# Altium PCB PS-010 Main.PcbDoc (part 1 of 2) (continued)
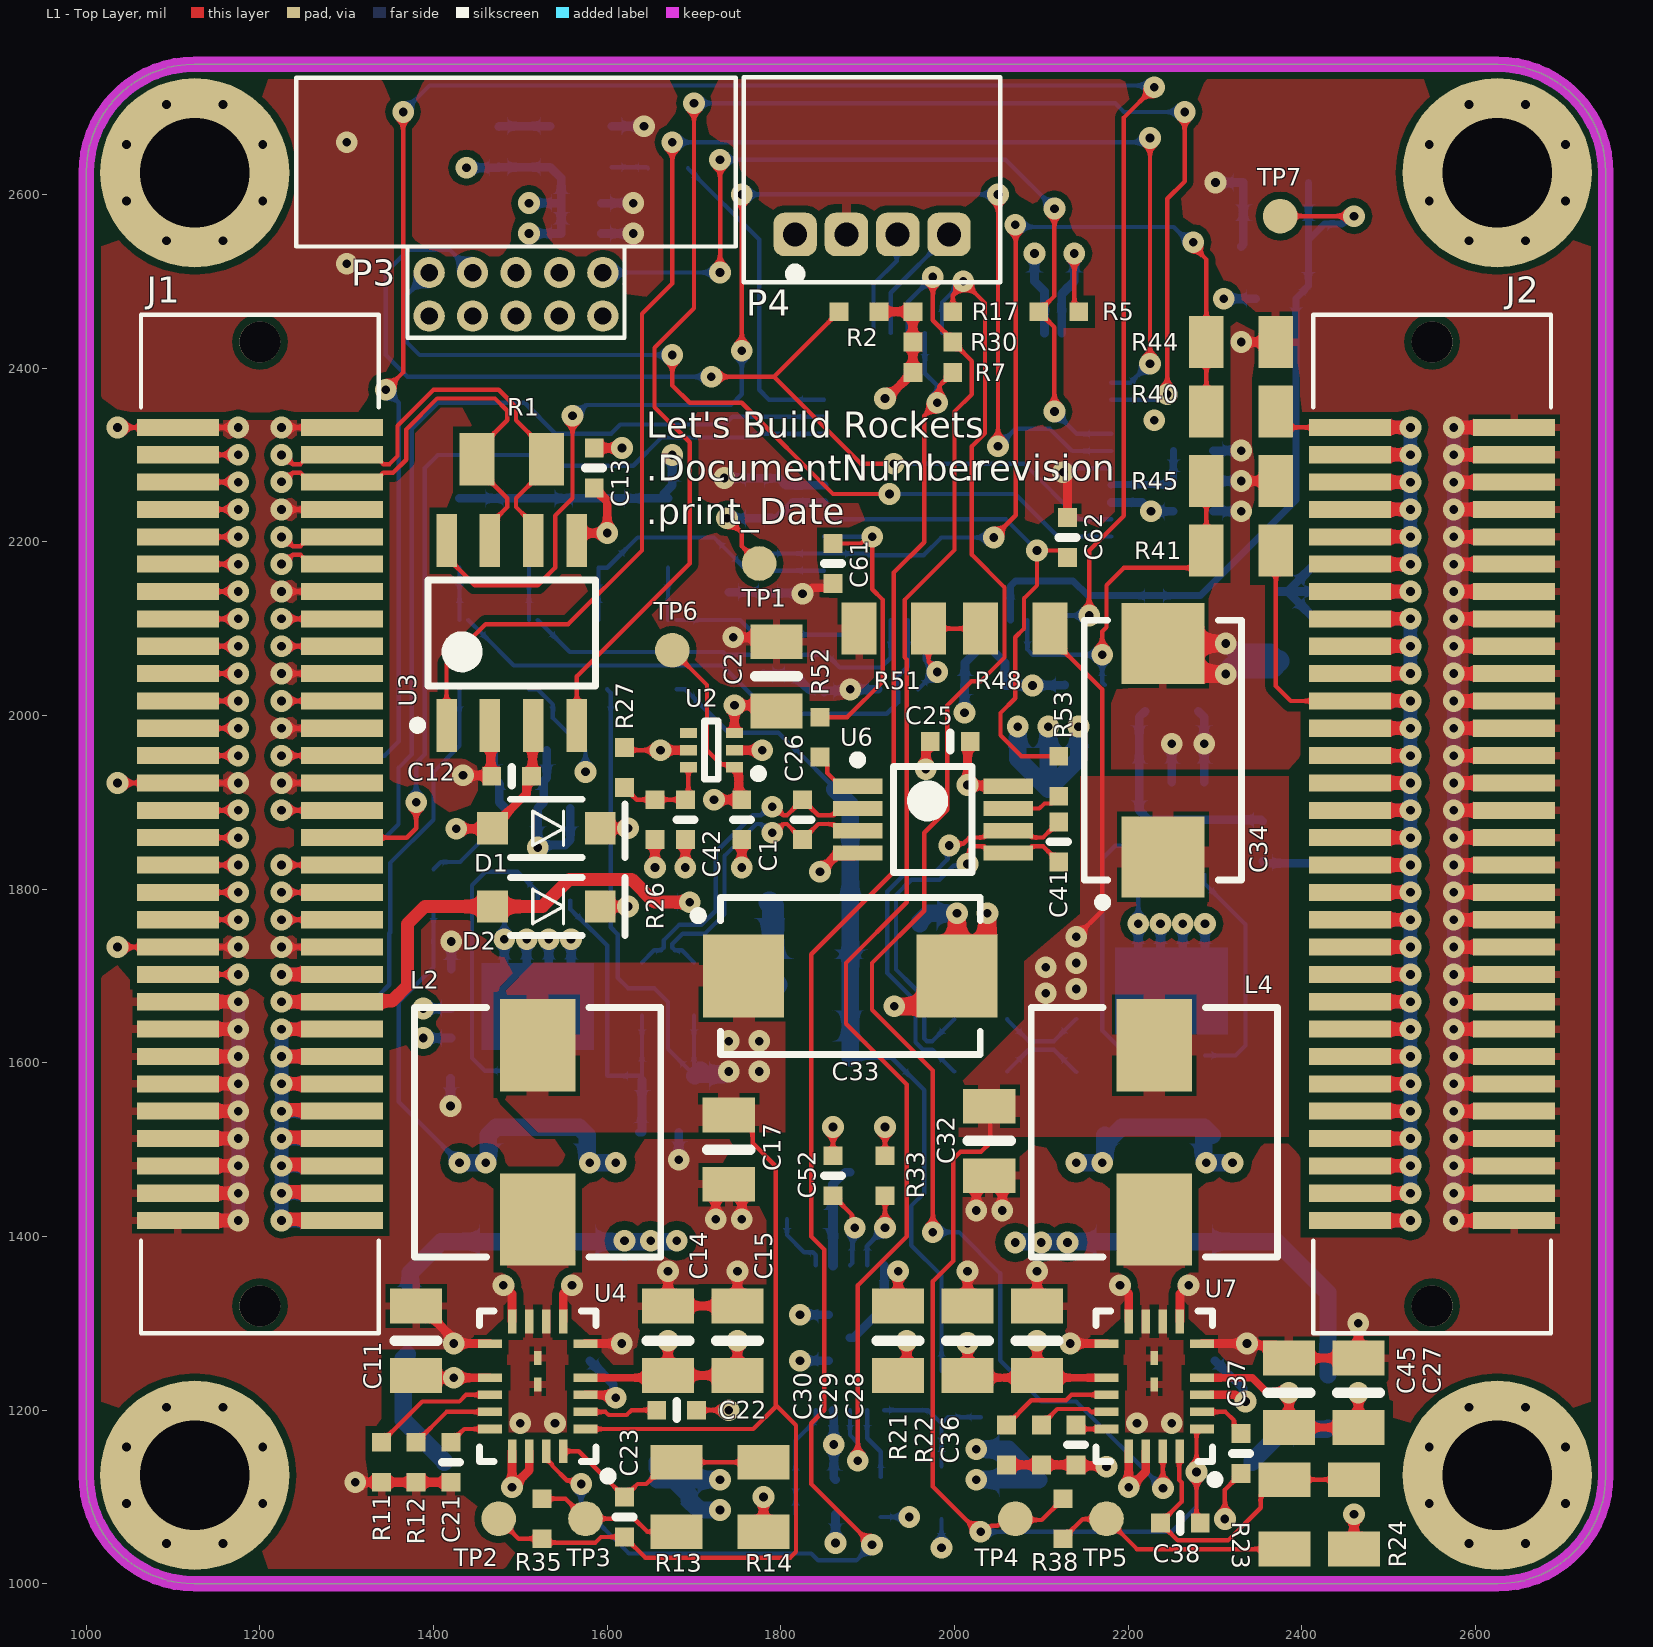
[diagram p0: L1 - Top Layer view]
## Part data (continued)
R6 R29: library part ERJ-3BSJR15V, "RES SMD 0.15 OHM 5% 1/4W 0603", Digi-Key Part Number=P17248CT-ND, Manufacturer="Panasonic Electronic Components", Operating Temperature="-55°C ~ 125°C", Package / Case="0603 (1608 Metric)", Power (Watts)="0.25W, 1/4W", Supplier Device Package=0603, Temperature Coefficient=±300ppm/°C, Tolerance=±5%, @ qty=1500, Composition="Thick Film", Datasheets=https://industrial.panasonic.com/cdbs/www-data/pdf/RDA0000/AOA0000C239.pdf, Factory Stock=0, Failure Rate=-, Features="Automotive AEC-Q200, Current Sense", Height - Seated (Max)="0.022\" (0.55mm)", Image=//media.digikey.com/Photos/Panasonic%20Photos/MFG_ERJ-P6W%20Series.jpg, Minimum Quantity=1, Number of Terminations=2, Packaging="Cut Tape (CT)", Part Number=ERJ-3BSJR15V, Part Status=Active, Quantity Available=4990, Series=ERJ, Size / Dimension="0.063\" L x 0.031\" W (1.60mm x 0.80mm)", Unit Price (USD)=0.05207
R7 R11 R17 R21 R26 R30: library part ERJ-2GEJ104X, "RES SMD 100K OHM 5% 1/10W 0402", Digi-Key Part Number=P100KJCT-ND, Manufacturer="Panasonic Electronic Components", Operating Temperature="-55°C ~ 155°C", Package / Case="0402 (1005 Metric)", Power (Watts)="0.1W, 1/10W", Supplier Device Package=0402, Temperature Coefficient=±200ppm/°C, Tolerance=±5%, @ qty=1500, Composition="Thick Film", Datasheets=http://industrial.panasonic.com/www-cgi/jvcr13pz.cgi?E+PZ+3+AOA0001+ERJ2GEJ104X+7+WW, Factory Stock=0, Failure Rate=-, Features="Automotive AEC-Q200", Height - Seated (Max)="0.016\" (0.40mm)", Image=//media.digikey.com/Photos/Panasonic%20Photos/ERJ-PA2-Series.jpg, Minimum Quantity=1, Number of Terminations=2, Packaging="Cut Tape (CT)", Part Number=ERJ-2GEJ104X, Part Status=Active, Quantity Available=2387986, Series=ERJ, Size / Dimension="0.039\" L x 0.020\" W (1.00mm x 0.50mm)", Unit Price (USD)=0.00350
R8 R18: library part ERJ-3LWFR005V, "RES SMD 0.005 OHM 1% 1/4W 0603", Digi-Key Part Number=P19182CT-ND, Manufacturer="Panasonic Electronic Components", Operating Temperature="-55°C ~ 125°C", Package / Case="0603 (1608 Metric)", Power (Watts)="0.25W, 1/4W", Supplier Device Package=0603, Temperature Coefficient="0/ +700ppm/°C", Tolerance=±1%, @ qty=1500, Composition="Thick Film", Datasheets=https://industrial.panasonic.com/cdbs/www-data/pdf/RDA0000/AOA0000C239.pdf, Factory Stock=0, Failure Rate=-, Features="Automotive AEC-Q200, Current Sense", Height - Seated (Max)="0.026\" (0.65mm)", Image=//media.digikey.com/Photos/Panasonic%20Photos/MFG_ERJ-P6W%20Series.jpg, Minimum Quantity=1, Number of Terminations=2, Packaging="Cut Tape (CT)", Part Number=ERJ-3LWFR005V, Part Status=Active, Quantity Available=2588, Series=ERJ, Size / Dimension="0.063\" L x 0.031\" W (1.60mm x 0.80mm)", Unit Price (USD)=0.12384
R9 R10 R19 R20: library part ERJ-3RQF2R2V, "RES SMD 2.2 OHM 1% 1/10W 0603", Digi-Key Part Number=P2.2AJCT-ND, Manufacturer="Panasonic Electronic Components", Operating Temperature="-55°C ~ 125°C", Package / Case="0603 (1608 Metric)", Power (Watts)="0.1W, 1/10W", Supplier Device Package=0603, Temperature Coefficient=±200ppm/°C, Tolerance=±1%, @ qty=1500, Composition="Thick Film", Datasheets=https://industrial.panasonic.com/cdbs/www-data/pdf/RDA0000/AOA0000C239.pdf, Factory Stock=0, Failure Rate=-, Features="Automotive AEC-Q200, Current Sense", Height - Seated (Max)="0.022\" (0.55mm)", Image=//media.digikey.com/Photos/Panasonic%20Photos/MFG_ERJ-P6W%20Series.jpg, Minimum Quantity=1, Number of Terminations=2, Packaging="Cut Tape (CT)", Part Number=ERJ-3RQF2R2V, Part Status=Active, Quantity Available=43930, Series=ERJ, Size / Dimension="0.063\" L x 0.031\" W (1.60mm x 0.80mm)", Unit Price (USD)=0.03510
R12 R22 R33: library part ERJ-2RKF1822X, "RES SMD 18.2K OHM 1% 1/10W 0402", Digi-Key Part Number=P18.2KLCT-ND, Manufacturer="Panasonic Electronic Components", Operating Temperature="-55°C ~ 155°C", Package / Case="0402 (1005 Metric)", Power (Watts)="0.1W, 1/10W", Supplier Device Package=0402, Temperature Coefficient=±100ppm/°C, Tolerance=±1%, @ qty=1500, Composition="Thick Film", Datasheets=http://industrial.panasonic.com/www-cgi/jvcr13pz.cgi?E+PZ+3+AOA0002+ERJ2RKF1822X+7+WW, Factory Stock=0, Failure Rate=-, Features="Automotive AEC-Q200", Height - Seated (Max)="0.016\" (0.40mm)", Image=//media.digikey.com/Photos/Panasonic%20Photos/ERJ-PA2-Series.jpg, Minimum Quantity=1, Number of Terminations=2, Packaging="Cut Tape (CT)", Part Number=ERJ-2RKF1822X, Part Status=Active, Quantity Available=142975, Series=ERJ, Size / Dimension="0.039\" L x 0.020\" W (1.00mm x 0.50mm)", Unit Price (USD)=0.00496
R13 R23: library part ERJ-PB6B1004V, "RES SMD 1M OHM 0.1% 1/4W 0805", Digi-Key Part Number=P20936CT-ND, Manufacturer="Panasonic Electronic Components", Operating Temperature="-55°C ~ 155°C", Package / Case="0805 (2012 Metric)", Power (Watts)="0.25W, 1/4W", Supplier Device Package=0805, Temperature Coefficient=±50ppm/°C, Tolerance=±0.1%, @ qty=1000, Composition="Thick Film", Datasheets=https://industrial.panasonic.com/cdbs/www-data/pdf/RDA0000/AOA0000C100.pdf, Factory Stock=0, Failure Rate=-, Features="Automotive AEC-Q200, Pulse Withstanding", Height - Seated (Max)="0.028\" (0.70mm)", Image=//media.digikey.com/Renders/Panasonic%20Renders/ERJ-0805%20Pkg.jpg, Minimum Quantity=1, Number of Terminations=2, Packaging="Cut Tape (CT)", Part Number=ERJ-PB6B1004V, Part Status=Active, Quantity Available=10000, Series=ERJ, Size / Dimension="0.079\" L x 0.049\" W (2.00mm x 1.25mm)", Unit Price (USD)=0.04554
R14: library part ERJ-PB6B2323V, "RES SMD 232k OHM 0.1% 1/4W 0805", Digi-Key Part Number=P20861CT-ND, Manufacturer="Panasonic Electronic Components", Operating Temperature="-55°C ~ 155°C", Package / Case="0805 (2012 Metric)", Power (Watts)="0.25W, 1/4W", Supplier Device Package=0805, Temperature Coefficient=±50ppm/°C, Tolerance=±0.1%, @ qty=1000, Composition="Thick Film", Datasheets=https://industrial.panasonic.com/cdbs/www-data/pdf/RDA0000/AOA0000C100.pdf, Factory Stock=0, Failure Rate=-, Features="Automotive AEC-Q200, Pulse Withstanding", Height - Seated (Max)="0.028\" (0.70mm)", Image=//media.digikey.com/Renders/Panasonic%20Renders/ERJ-0805%20Pkg.jpg, Minimum Quantity=1, Number of Terminations=2, Packaging="Cut Tape (CT)", Part Number=ERJ-PB6B2323V, Part Status=Active, Quantity Available=10000, Series=ERJ, Size / Dimension="0.079\" L x 0.049\" W (2.00mm x 1.25mm)", Unit Price (USD)=0.04554
R15 R25: library part ERJ-2GEJ101X, "RES SMD 100 OHM 5% 1/10W 0402", Digi-Key Part Number=P100JCT-ND, Manufacturer="Panasonic Electronic Components", Operating Temperature="-55°C ~ 155°C", Package / Case="0402 (1005 Metric)", Power (Watts)="0.1W, 1/10W", Supplier Device Package=0402, Temperature Coefficient=±200ppm/°C, Tolerance=±5%, @ qty=1500, Composition="Thick Film", Datasheets=http://industrial.panasonic.com/www-cgi/jvcr13pz.cgi?E+PZ+3+AOA0001+ERJ2GEJ101X+7+WW, Factory Stock=0, Failure Rate=-, Features="Automotive AEC-Q200", Height - Seated (Max)="0.016\" (0.40mm)", Image=//media.digikey.com/Photos/Panasonic%20Photos/ERJ-PA2-Series.jpg, Minimum Quantity=1, Number of Terminations=2, Packaging="Cut Tape (CT)", Part Number=ERJ-2GEJ101X, Part Status=Active, Quantity Available=3114113, Series=ERJ, Size / Dimension="0.039\" L x 0.020\" W (1.00mm x 0.50mm)", Unit Price (USD)=0.00350
R16: library part ERJ-2RKF2203X, "RES SMD 220K OHM 1% 1/10W 0402", Digi-Key Part Number=P220KLCT-ND, Manufacturer="Panasonic Electronic Components", Operating Temperature="-55°C ~ 155°C", Package / Case="0402 (1005 Metric)", Power (Watts)="0.1W, 1/10W", Supplier Device Package=0402, Temperature Coefficient=±100ppm/°C, Tolerance=±1%, @ qty=1500, Composition="Thick Film", Datasheets=http://industrial.panasonic.com/www-cgi/jvcr13pz.cgi?E+PZ+3+AOA0002+ERJ2RKF2203X+7+WW, Factory Stock=0, Failure Rate=-, Features="Automotive AEC-Q200", Height - Seated (Max)="0.016\" (0.40mm)", Image=//media.digikey.com/Photos/Panasonic%20Photos/ERJ-PA2-Series.jpg, Minimum Quantity=1, Number of Terminations=2, Packaging="Cut Tape (CT)", Part Number=ERJ-2RKF2203X, Part Status=Active, Quantity Available=68938, Series=ERJ, Size / Dimension="0.039\" L x 0.020\" W (1.00mm x 0.50mm)", Unit Price (USD)=0.00496
R24: library part ERJ-PB6B8662V, "RES SMD 86.6k OHM 0.1% 1/4W 0805", Digi-Key Part Number=P20815CT-ND, Manufacturer="Panasonic Electronic Components", Operating Temperature="-55°C ~ 155°C", Package / Case="0805 (2012 Metric)", Power (Watts)="0.25W, 1/4W", Supplier Device Package=0805, Temperature Coefficient=±50ppm/°C, Tolerance=±0.1%, @ qty=1000, Composition="Thick Film", Datasheets=https://industrial.panasonic.com/cdbs/www-data/pdf/RDA0000/AOA0000C100.pdf, Factory Stock=0, Failure Rate=-, Features="Automotive AEC-Q200, Pulse Withstanding", Height - Seated (Max)="0.028\" (0.70mm)", Image=//media.digikey.com/Renders/Panasonic%20Renders/ERJ-0805%20Pkg.jpg, Minimum Quantity=1, Number of Terminations=2, Packaging="Cut Tape (CT)", Part Number=ERJ-PB6B8662V, Part Status=Active, Quantity Available=10000, Series=ERJ, Size / Dimension="0.079\" L x 0.049\" W (2.00mm x 1.25mm)", Unit Price (USD)=0.04554
R27: library part ERJ-2GEJ473X, "RES SMD 47K OHM 5% 1/10W 0402", Digi-Key Part Number=P47KJCT-ND, Manufacturer="Panasonic Electronic Components", Operating Temperature="-55°C ~ 155°C", Package / Case="0402 (1005 Metric)", Power (Watts)="0.1W, 1/10W", Supplier Device Package=0402, Temperature Coefficient=±200ppm/°C, Tolerance=±5%, @ qty=1500, Composition="Thick Film", Datasheets=http://industrial.panasonic.com/www-cgi/jvcr13pz.cgi?E+PZ+3+AOA0001+ERJ2GEJ473X+7+WW, Factory Stock=0, Failure Rate=-, Features="Automotive AEC-Q200", Height - Seated (Max)="0.016\" (0.40mm)", Image=//media.digikey.com/Photos/Panasonic%20Photos/ERJ-PA2-Series.jpg, Minimum Quantity=1, Number of Terminations=2, Packaging="Cut Tape (CT)", Part Number=ERJ-2GEJ473X, Part Status=Active, Quantity Available=5182645, Series=ERJ, Size / Dimension="0.039\" L x 0.020\" W (1.00mm x 0.50mm)", Unit Price (USD)=0.00350
R28: library part ERJ-3EKF1873V, "RES SMD 187K OHM 1% 1/10W 0603", Digi-Key Part Number=P187KHCT-ND, Manufacturer="Panasonic Electronic Components", Operating Temperature="-55°C ~ 155°C", Package / Case="0603 (1608 Metric)", Power (Watts)="0.1W, 1/10W", Supplier Device Package=0603, Temperature Coefficient=±100ppm/°C, Tolerance=±1%, @ qty=1500, Composition="Thick Film", Datasheets=http://industrial.panasonic.com/www-cgi/jvcr13pz.cgi?E+PZ+3+AOA0002+ERJ3EKF1873V+7+WW, Factory Stock=0, Failure Rate=-, Features="Automotive AEC-Q200", Height - Seated (Max)="0.022\" (0.55mm)", Image=//media.digikey.com/Photos/Panasonic%20Photos/MFG_ERJ-P6W%20Series.jpg, Minimum Quantity=1, Number of Terminations=2, Packaging="Cut Tape (CT)", Part Number=ERJ-3EKF1873V, Part Status=Active, Quantity Available=86417, Series=ERJ, Size / Dimension="0.063\" L x 0.031\" W (1.60mm x 0.80mm)", Unit Price (USD)=0.00379
R31: library part ERJ-3EKF1004V, "RES SMD 1M OHM 1% 1/10W 0603", Digi-Key Part Number=P1.00MHCT-ND, Manufacturer="Panasonic Electronic Components", Operating Temperature="-55°C ~ 155°C", Package / Case="0603 (1608 Metric)", Power (Watts)="0.1W, 1/10W", Supplier Device Package=0603, Temperature Coefficient=±100ppm/°C, Tolerance=±1%, @ qty=1500, Composition="Thick Film", Datasheets=http://industrial.panasonic.com/www-cgi/jvcr13pz.cgi?E+PZ+3+AOA0002+ERJ3EKF1004V+7+WW, Factory Stock=0, Failure Rate=-, Features="Automotive AEC-Q200", Height - Seated (Max)="0.022\" (0.55mm)", Image=//media.digikey.com/Photos/Panasonic%20Photos/MFG_ERJ-P6W%20Series.jpg, Minimum Quantity=1, Number of Terminations=2, Packaging="Cut Tape (CT)", Part Number=ERJ-3EKF1004V, Part Status=Active, Quantity Available=1632074, Series=ERJ, Size / Dimension="0.063\" L x 0.031\" W (1.60mm x 0.80mm)", Unit Price (USD)=0.00379
R32: library part ERJ-6GEYJ2R2V, "RES SMD 2.2 OHM 5% 1/8W 0805", Digi-Key Part Number=P2.2ACT-ND, Manufacturer="Panasonic Electronic Components", Operating Temperature="-55°C ~ 155°C", Package / Case="0805 (2012 Metric)", Power (Watts)="0.125W, 1/8W", Supplier Device Package=0805, Temperature Coefficient="-100/ +600ppm/°C", Tolerance=±5%, @ qty=1500, Composition="Thick Film", Datasheets=http://industrial.panasonic.com/www-cgi/jvcr13pz.cgi?E+PZ+3+AOA0001+ERJ6GEYJ2R2V+7+WW, Factory Stock=0, Failure Rate=-, Features="Automotive AEC-Q200", Height - Seated (Max)="0.028\" (0.70mm)", Image=//media.digikey.com/Renders/Panasonic%20Renders/ERJ-0805%20Pkg.jpg, Minimum Quantity=1, Number of Terminations=2, Packaging="Cut Tape (CT)", Part Number=ERJ-6GEYJ2R2V, Part Status=Active, Quantity Available=74294, Series=ERJ, Size / Dimension="0.079\" L x 0.049\" W (2.00mm x 1.25mm)", Unit Price (USD)=0.00496
R34: library part ERJ-2RKF2002X, "RES SMD 20K OHM 1% 1/10W 0402", Digi-Key Part Number=P20.0KLCT-ND, Manufacturer="Panasonic Electronic Components", Operating Temperature="-55°C ~ 155°C", Package / Case="0402 (1005 Metric)", Power (Watts)="0.1W, 1/10W", Supplier Device Package=0402, Temperature Coefficient=±100ppm/°C, Tolerance=±1%, @ qty=1500, Composition="Thick Film", Datasheets=http://industrial.panasonic.com/www-cgi/jvcr13pz.cgi?E+PZ+3+AOA0002+ERJ2RKF2002X+7+WW, Factory Stock=0, Failure Rate=-, Features="Automotive AEC-Q200", Height - Seated (Max)="0.016\" (0.40mm)", Image=//media.digikey.com/Photos/Panasonic%20Photos/ERJ-PA2-Series.jpg, Minimum Quantity=1, Number of Terminations=2, Packaging="Cut Tape (CT)", Part Number=ERJ-2RKF2002X, Part Status=Active, Quantity Available=1690955, Series=ERJ, Size / Dimension="0.039\" L x 0.020\" W (1.00mm x 0.50mm)", Unit Price (USD)=0.00496
R35 R38: library part ERJ-2GEJ100X, "RES SMD 10 OHM 5% 1/10W 0402", Digi-Key Part Number=P10JCT-ND, Manufacturer="Panasonic Electronic Components", Operating Temperature="-55°C ~ 155°C", Package / Case="0402 (1005 Metric)", Power (Watts)="0.1W, 1/10W", Supplier Device Package=0402, Temperature Coefficient=±200ppm/°C, Tolerance=±5%, @ qty=1500, Composition="Thick Film", Datasheets=http://industrial.panasonic.com/www-cgi/jvcr13pz.cgi?E+PZ+3+AOA0001+ERJ2GEJ100X+7+WW, Factory Stock=0, Failure Rate=-, Features="Automotive AEC-Q200", Height - Seated (Max)="0.016\" (0.40mm)", Image=//media.digikey.com/Photos/Panasonic%20Photos/ERJ-PA2-Series.jpg, Minimum Quantity=1, Number of Terminations=2, Packaging="Cut Tape (CT)", Part Number=ERJ-2GEJ100X, Part Status=Active, Quantity Available=1054751, Series=ERJ, Size / Dimension="0.039\" L x 0.020\" W (1.00mm x 0.50mm)", Unit Price (USD)=0.00350
R37 R39 R46 R47: library part ERJ-PB6B3602V, "RES SMD 36K OHM 0.1% 1/4W 0805", Digi-Key Part Number=P20770CT-ND, Manufacturer="Panasonic Electronic Components", Operating Temperature="-55°C ~ 155°C", Package / Case="0805 (2012 Metric)", Power (Watts)="0.25W, 1/4W", Supplier Device Package=0805, Temperature Coefficient=±50ppm/°C, Tolerance=±0.1%, @ qty=1000, Composition="Thick Film", Datasheets=https://industrial.panasonic.com/cdbs/www-data/pdf/RDA0000/AOA0000C100.pdf, Factory Stock=0, Failure Rate=-, Features="Automotive AEC-Q200, Pulse Withstanding", Height - Seated (Max)="0.028\" (0.70mm)", Image=//media.digikey.com/Renders/Panasonic%20Renders/ERJ-0805%20Pkg.jpg, Minimum Quantity=1, Number of Terminations=2, Packaging="Cut Tape (CT)", Part Number=ERJ-PB6B3602V, Part Status=Active, Quantity Available=10000, Series=ERJ, Size / Dimension="0.079\" L x 0.049\" W (2.00mm x 1.25mm)", Unit Price (USD)=0.04554
R40 R48: library part ERJ-PB6B1103V, "RES SMD 110K OHM 0.1% 1/4W 0805", Digi-Key Part Number=P20826CT-ND, Manufacturer="Panasonic Electronic Components", Operating Temperature="-55°C ~ 155°C", Package / Case="0805 (2012 Metric)", Power (Watts)="0.25W, 1/4W", Supplier Device Package=0805, Temperature Coefficient=±50ppm/°C, Tolerance=±0.1%, @ qty=1000, Composition="Thick Film", Datasheets=https://industrial.panasonic.com/cdbs/www-data/pdf/RDA0000/AOA0000C100.pdf, Factory Stock=0, Failure Rate=-, Features="Automotive AEC-Q200, Pulse Withstanding", Height - Seated (Max)="0.028\" (0.70mm)", Image=//media.digikey.com/Renders/Panasonic%20Renders/ERJ-0805%20Pkg.jpg, Minimum Quantity=1, Number of Terminations=2, Packaging="Cut Tape (CT)", Part Number=ERJ-PB6B1103V, Part Status=Active, Quantity Available=10000, Series=ERJ, Size / Dimension="0.079\" L x 0.049\" W (2.00mm x 1.25mm)", Unit Price (USD)=0.04554
R41: library part ERJ-PB6B2403V, "RES SMD 240K OHM 0.1% 1/4W 0805", Digi-Key Part Number=P20863CT-ND, Manufacturer="Panasonic Electronic Components", Operating Temperature="-55°C ~ 155°C", Package / Case="0805 (2012 Metric)", Power (Watts)="0.25W, 1/4W", Supplier Device Package=0805, Temperature Coefficient=±50ppm/°C, Tolerance=±0.1%, @ qty=1000, Composition="Thick Film", Datasheets=https://industrial.panasonic.com/cdbs/www-data/pdf/RDA0000/AOA0000C100.pdf, Factory Stock=0, Failure Rate=-, Features="Automotive AEC-Q200, Pulse Withstanding", Height - Seated (Max)="0.028\" (0.70mm)", Image=//media.digikey.com/Renders/Panasonic%20Renders/ERJ-0805%20Pkg.jpg, Minimum Quantity=1, Number of Terminations=2, Packaging="Cut Tape (CT)", Part Number=ERJ-PB6B2403V, Part Status=Active, Quantity Available=10000, Series=ERJ, Size / Dimension="0.079\" L x 0.049\" W (2.00mm x 1.25mm)", Unit Price (USD)=0.04554
R42 R43 R44 R49 R50 R51: library part ERJ-PB6B2002V, "RES SMD 20K OHM 0.1% 1/4W 0805", Digi-Key Part Number=P20740CT-ND, Manufacturer="Panasonic Electronic Components", Operating Temperature="-55°C ~ 155°C", Package / Case="0805 (2012 Metric)", Power (Watts)="0.25W, 1/4W", Supplier Device Package=0805, Temperature Coefficient=±50ppm/°C, Tolerance=±0.1%, @ qty=1000, Composition="Thick Film", Datasheets=https://industrial.panasonic.com/cdbs/www-data/pdf/RDA0000/AOA0000C100.pdf, Factory Stock=0, Failure Rate=-, Features="Automotive AEC-Q200, Pulse Withstanding", Height - Seated (Max)="0.028\" (0.70mm)", Image=//media.digikey.com/Renders/Panasonic%20Renders/ERJ-0805%20Pkg.jpg, Minimum Quantity=1, Number of Terminations=2, Packaging="Cut Tape (CT)", Part Number=ERJ-PB6B2002V, Part Status=Active, Quantity Available=10000, Series=ERJ, Size / Dimension="0.079\" L x 0.049\" W (2.00mm x 1.25mm)", Unit Price (USD)=0.04554
R45: library part ERJ-PB6B1002V, "RES SMD 10K OHM 0.1% 1/4W 0805", Digi-Key Part Number=P20708CT-ND, Manufacturer="Panasonic Electronic Components", Operating Temperature="-55°C ~ 155°C", Package / Case="0805 (2012 Metric)", Power (Watts)="0.25W, 1/4W", Supplier Device Package=0805, Temperature Coefficient=±50ppm/°C, Tolerance=±0.1%, @ qty=1000, Composition="Thick Film", Datasheets=https://industrial.panasonic.com/cdbs/www-data/pdf/RDA0000/AOA0000C100.pdf, Factory Stock=0, Failure Rate=-, Features="Automotive AEC-Q200, Pulse Withstanding", Height - Seated (Max)="0.028\" (0.70mm)", Image=//media.digikey.com/Renders/Panasonic%20Renders/ERJ-0805%20Pkg.jpg, Minimum Quantity=1, Number of Terminations=2, Packaging="Cut Tape (CT)", Part Number=ERJ-PB6B1002V, Part Status=Active, Quantity Available=10000, Series=ERJ, Size / Dimension="0.079\" L x 0.049\" W (2.00mm x 1.25mm)", Unit Price (USD)=0.04554
D1 D2 D3: Unit Price (USD)=0.37
J1 J2: Unit Price (USD)=1.28
L1: DCR=3.6mohm, Imax=23A, Isat=15.2A, SFR=110MHz, Unit Price (USD)=2.40
L3: DCR=3.0mohm, Imax=24A, Isat=16.5A, SFR=130MHz, Unit Price (USD)=2.40
L5: DCR=78.1mohm, Imax=4.1A, Isat=3.2A, SFR=20MHz, Unit Price (USD)=2.40
P1 P2: Unit Price (USD)=1.52
P3: Unit Price (USD)=0.75
P4: Unit Price (USD)=0.24
U1 U5 U8: Unit Price (USD)=2.35
U2: Unit Price (USD)=0.44
U3: Unit Price (USD)=0.53
U4 U7: Unit Price (USD)=13.92
U6 U9: Unit Price (USD)=0.69
U10: Unit Price (USD)=5.1
X1: Unit Price (USD)=2.37

## Free pads (board coordinates)
  round 218 hole 125.98: 0(1125,1125) 0(1125,2625) 0(2625,1125) 0(2625,2625)

## Via types
v1: diameter 25, hole 10, L1 - Top Layer to L4 - Bottom Layer, tented both sides, 347 vias

## Nets (pads, with @x,y where several pads share a name; then routed paths per layer and width w, separated by ;. In a path a pad name is that pad's centre, name@x,y a point inside that pad or via, vN(x,y) a via of type N, cw(c..) or ccw(c..) an arc to the next point about the centre after c; other vN are vias at no path point)
+0.9V_REF: J1.42 P1.42 | length 131.1
  L1 - Top Layer w15: v1(1225,1701.77) J1.42@1294.49,1701.77
  L4 - Bottom Layer w15: v1(1225,1701.77) P1.42@1286.61,1701.77
+2.048VA: C40.2 C60.2 R36.1 TP7.1 U1.4 U9.K | length 944
  L1 - Top Layer w5: TP7.1@2375,2575 v1(2460,2575)
  L4 - Bottom Layer w8: U1.4@2064.21,2109.65 2064.21,2149.21 2070,2155 2136.5,2155 2153.5,2138 C60.2@2230,2138 2283,2138 2393,2248 R36.1@2393,2480 2407.4,2494.4 C40.2@2407.4,2547.4 ; U9.K@2407.4,2613.66 C40.2@2407.4,2547.4 ; v1(2460,2575) 2455.4,2575 2446.4,2566 2426,2566 C40.2@2407.4,2547.4
+3.3V: C2.2 C3.2 C4.2 C5.2 C6.2 C9.2 C10.2 C13.1 P3.1 P4.1 R2.2 R4.2 R5.2 R7.2 R17.2 R30.2 R36.2 TP1.1 U1.6 U1.17 U1.36 U1.44 U2.3 U3.5 X1.4 | length 1173.5
  L1 - Top Layer w5: v1(1738,2227) 1755,2210 1755,2195 TP1.1@1775,2175 ; v1@1742.44,2011.69 v1(1746.57,2011.69) ; TP1.1@1770,2170 TP1.1@1774.13,2170 ; v1(2138,2532) 2138,2470 R5.2@2143,2465
  L1 - Top Layer w10: U3.5@1565,2201.3 1565,2203.19 1571.81,2210 v1(1600,2210) 1600,2247 1590.83,2256.17 C13.1@1585,2262 ; U2.3@1746.57,1979.69 v1(1746.57,2011.69) 1788.31,2011.69 C2.2@1795,2005 ; R2.2@1913,2465 R17.2@1952,2465 R30.2@1952,2430 R7.2@1952,2395 1922,2365 v1(1920,2365)
  L4 - Bottom Layer w10: v1(1438,2630.76) R4.2@1475,2630.76 ; R4.2@1475,2632 1475.62,2631.38 X1.4@1534.57,2631.38 1547,2618.94 C6.2@1547,2590 ; v1(1510,2555) C5.2@1547,2555 C6.2@1547,2590 ; v1(1510,2590) C6.2@1547,2590 ; v1(1738,2227) C3.2@1770,2227 1795.83,2227 1813.95,2245.13 1849.3,2245.13 U1.17@1849.65,2245.47 ; v1(2011.49,2003.21) C4.2@2011.49,2035.21 ; C4.2@2012,2035 2012,2060.83 2024.5,2073.32 2024.5,2109.3 U1.6@2024.84,2109.65 ; U1.36@2123.27,2440.35 2123.27,2485.27 C9.2@2138,2500 v1(2138,2532) ; U1.44@2180.35,2245.47 2180.7,2245.13 2216.05,2245.13 v1(2226.17,2235) C10.2@2252,2235 ; v1(2310,2480) R36.2@2347,2480
+4.5V_INT: C1.2 C25.1 D1.K D2.K R26.2 TP6.1 U2.1 U6.8 | length 440.9
  L1 - Top Layer w5: TP6.1@1675,2075 1715,2035 1715,1960 1731.28,1943.72 1743.17,1943.72 U2.1@1746.57,1940.32
  L1 - Top Layer w10: D2.K@1592.01,1780 v1(1624.01,1780) ; D1.K@1592.01,1870 v1(1624.01,1870) ; v1(1655,1825) R26.2@1655,1857 ; v1(1723,1903) 1751.42,1903 C1.2@1755,1903 1751.42,1906.58 1751.42,1939.41 1750.51,1940.32 U2.1@1746.57,1940.32 ; C25.1@2018,1970 2015,1967 v1(2015,1920) 2015.81,1919.19 2060.81,1919.19 U6.8@2061.61,1918.39
+5V: C12.1 C19.2 C20.1 D1.A J1.46 J1.48 J1.50 J1.52 J1.54 J1.56 J1.58 J1.60 P1.46 P1.48 P1.50 P1.52 P1.54 P1.56 P1.58 P1.60 Q1.D R39.2 U3.3 U5.6 | length 1819.2
  L1 - Top Layer w10: v1(1426.2,1869.49) D1.A@1468.2,1869.49 ; D1.A@1467.99,1870 1467.99,1870.98 1507.17,1910.17 1507.17,1924.17 C12.1@1513,1930 1514,1931 1514,1987.7 U3.3@1515,1988.7
  L1 - Top Layer w15: v1(1225,1575.79) J1.50@1294.49,1575.79 ; v1(1225,1607.28) J1.48@1294.49,1607.28 ; v1(1225,1638.78) J1.46@1294.49,1638.78 ; v1@1235.51,1420 J1.60@1305,1420 ; v1@1235.51,1451.5 J1.58@1305,1451.5 ; v1@1235.51,1482.99 J1.56@1305,1482.99 ; v1@1235.51,1514.49 J1.54@1305,1514.49 ; v1@1235.51,1545.98 J1.52@1305,1545.98
  L4 - Bottom Layer w5: v1@1481.61,1737.28 1481.61,1785.87 U5.6@1482.6,1786.85 ; R39.2@1510,2030 1520,2030 1537.5,2012.5 1537.5,1997.08 1575,1959.58 v1(1575,1935)
  L4 - Bottom Layer w10: v1(1388.21,1628.51) C20.1@1420.21,1628.51 ; v1(1388.21,1662.51) C19.2@1420.21,1662.51 ; Q1.D@1481.61,1710.28 v1(1481.61,1742.28) ; Q1.D@1507.2,1710.28 v1(1507.2,1742.28) ; Q1.D@1532.8,1710.28 v1(1532.8,1742.28) ; Q1.D@1558.39,1710.28 v1(1558.39,1742.28)
  L4 - Bottom Layer w15: P1.60@1286.61,1418.31 v1(1225,1418.31) v1(1225,1449.8) ; P1.58@1286.61,1449.8 v1(1225,1449.8) ; P1.56@1286.61,1481.3 v1(1225,1481.3) ; P1.54@1286.61,1512.8 v1(1225,1512.8) ; P1.52@1286.61,1544.29 v1(1225,1544.29) ; P1.50@1286.61,1575.79 v1(1225,1575.79) ; P1.48@1286.61,1607.28 v1(1225,1607.28) ; P1.46@1286.61,1638.78 v1(1225,1638.78) v1(1225,1607.28) ; v1(1225,1449.8) v1(1225,1481.3) ; v1(1225,1481.3) v1(1225,1512.8) ; v1(1225,1512.8) v1(1225,1544.29) ; v1(1225,1544.29) v1(1225,1575.79) ; v1(1225,1575.79) v1(1225,1607.28)
+5V_BOOTSTRAP: D2.A D3.K J1.44 P1.44 R37.2 | length 1118.5
  L1 - Top Layer w15: v1(1225,1670.28) J1.44@1294.49,1670.28 1295.58,1671.37 1352.3,1671.37 1370,1689.07 1370,1760 1390,1780 D2.A@1467.99,1780 1525.35,1780 1556.56,1811.2 1628.16,1811.2 1654.36,1785 v1(1694.99,1785)
  L4 - Bottom Layer w5: P1.44@1286.61,1670.28 1293.96,1677.62 1336.62,1677.62 1349,1690 1349,1749 1350,1750 1350,1830 1400,1880 1400,1935 1430,1965 R37.2@1430,2030
  L4 - Bottom Layer w10: D3.K@1662.99,1785 v1(1694.99,1785)
  L4 - Bottom Layer w15: v1(1225,1670.28) P1.44@1286.61,1670.28
+5V_BT_A: D3.A R32.2 | length 98.3
  L4 - Bottom Layer w25: D3.A@1787.01,1785 1791,1781 1791,1694 R32.2@1795,1690
+5V_BT_EN: R16.1 R34.2 U10.10 | length 129.7
  L4 - Bottom Layer w5: R34.2@1817,1080 R16.1@1817,1120 1817,1165.19 1840.32,1188.5 U10.10@1840.32,1200
+5V_BT_FB: C46.2 R28.2 R31.1 U10.6 | length 169.5
  L4 - Bottom Layer w5: U10.6@1919.06,1200 1969.49,1200 R31.1@1985,1184.49 ; R28.2@1985,1135.51 R31.1@1985,1184.49 ; C46.2@2030,1192 1992.51,1192 R31.1@1985,1184.49
+5V_BT_INT: C35.1 C46.1 C51.1 L5.2 R31.2 R32.1 R46.2 | length 1039.3
  L4 - Bottom Layer w5: R46.2@1680,2030 1690,2030 1740,1980 1797.17,1980 1816.83,1960.33 1818.01,1960.33 1862.17,1916.18 C35.1@1862.17,1915 ; L5.2@1880,1605.94 1927.64,1605.94 1965,1568.58 1965,1450 1950,1435 1950,1390 1985,1355 R31.2@1985,1245.51 1992.51,1238 C46.1@2030,1238
  L4 - Bottom Layer w20: C35.1@1862.17,1915 1880,1897.17 C51.1@1880,1760 L5.2@1880,1605.94
+5V_BT_INT_VMON: C57.2 R46.1 R49.1 U1.12 | length 308.6
  L4 - Bottom Layer w5: R46.1@1670,2110 R49.1@1670,2170 ; R46.1@1680,2110 1753.28,2110 1764.61,2098.67 1809.33,2098.67 C57.2@1815,2093 1903.59,2093 1906.73,2096.15 U1.12@1906.73,2109.65
+5V_BT_PG: R30.1 U1.27 U10.8 | length 1628.4
  L1 - Top Layer w5: v1(1888.65,1141.9) 1888.65,1343.65 1945,1400 1945,1575 1875,1645 1875,1715 1945,1785 1945,2064.39 1942.5,2066.89 1942.5,2133.11 2000,2190.61 2000,2350 2020,2370 2020,2408 R30.1@1998,2430 ; v1(1975,2505) 1975,2455 R30.1@1995,2435
  L4 - Bottom Layer w5: U10.8@1879.69,1200 1879.69,1171.51 1888.65,1162.55 v1(1888.65,1141.9) ; U1.27@1946.1,2440.35 1946.1,2476.1 v1(1975,2505)
+5V_BT_VMON: C48.2 R37.1 R42.1 U1.10 | length 709.1
  L4 - Bottom Layer w5: R37.1@1430,2110 R42.1@1430,2170 ; R37.1@1440,2110 1457.5,2092.5 1492.5,2057.5 1732.5,2057.5 1771.67,2018.33 1771.67,2010.33 C48.2@1780,2002 1922,2002 1935,2015 1935,2045 1946.1,2056.1 U1.10@1946.1,2109.65
+5V_EN: R11.2 U4.14 | length 147.5
  L1 - Top Layer w5: R11.2@1340,1163 1371.5,1194.5 1387,1210 1429.8,1210 1437.48,1217.68 U4.14@1464.88,1217.68
+5V_FB: C23.2 R13.1 R14.2 U4.20 | length 268.9
  L1 - Top Layer w5: U4.20@1549.53,1152.72 1567.28,1152.72 C23.2@1620,1100 1635,1115 1645,1115 1652.5,1122.5 1670,1140 R14.2@1780,1140
+5V_I_Sense_N: C26.2 R10.1 U6.2 | length 389.2
  L1 - Top Layer w5: v1(1790,1895) 1792.93,1895 1802.93,1885 1807,1885 C26.2@1825,1903 1843,1885 1860.91,1885 1868.7,1892.8 U6.2@1888.39,1892.8
  L4 - Bottom Layer w5: R10.1@1640,1715.51 1654.23,1729.74 1662.07,1729.74 1665,1732.67 1665,1740.96 1682.84,1758.8 1708.59,1758.8 1725,1775.21 1725,1842.43 1767.57,1885 1777.07,1885 1787.07,1895 v1(1790,1895)
+5V_I_Sense_P: C26.1 R9.1 U6.3 | length 372.7
  L1 - Top Layer w5: v1(1790,1865) 1792.93,1865 1802.93,1875 1807,1875 C26.1@1825,1857 1843,1875 1860.91,1875 1868.7,1867.2 U6.3@1888.39,1867.2
  L4 - Bottom Layer w5: R9.1@1700,1715.51 1685.77,1729.74 1677.93,1729.74 1675,1732.67 1675,1736.82 1686.98,1748.8 1712.73,1748.8 1735,1771.07 1735,1838.28 1771.72,1875 1777.07,1875 1787.07,1865 v1(1790,1865)
+5V_IMON: C61.2 R52.1 U1.15 | length 365.2
  L1 - Top Layer w5: R52.1@1845,1998 1876.28,1998 1917.5,2039.22 1917.5,2133.11 1905.18,2145.43 v1(1905.18,2205.62) 1899.87,2205.62 1892.25,2198 C61.2@1860,2198
  L4 - Bottom Layer w5: U1.15@1849.65,2206.1 1849.89,2205.86 1904.94,2205.86 v1(1905.18,2205.62)
+5V_INT: C17.1 C23.1 C33.1 L2.2 R8.1 R9.2 R35.2 R47.2 TP2.1 U4.1 | length 1758
  L1 - Top Layer w5: TP2.1@1475,1075 1498,1052 R35.2@1525,1052 1529.5,1047.5 1586.39,1047.5 1592.89,1054 C23.1@1620,1054 1644,1030 1810.61,1030 1817.5,1036.89 1817.5,1182.5 1794,1206 ; U4.1@1575.12,1178.31 1768.31,1178.31 1794,1204 1794,1206 ; C17.1@1740,1540 1750,1540 1767.5,1522.5 1767.5,1507.5 1794,1481 1794,1206
  L4 - Bottom Layer w5: R47.2@1600,2030 1604.01,2025.99 1604.01,1755.99 1612,1748 1612,1698 1624,1686 1654,1686 1670,1670 1670,1616.02 R8.1@1700,1586.02 ; R9.2@1700,1654.49 R8.1@1700,1586.02 ; R8.1@1701.02,1585 R8.1@1700,1586.02
  L4 - Bottom Layer w20: R8.1@1701.02,1585 R8.1@1707.76,1591.73 ; R8.1@1707.76,1586.73 1735.38,1586.73 1738.65,1590 v1(1740,1590)
  other v1: 1775,1590 1740,1625 1775,1625
+5V_INT_VMON: C58.2 R47.1 R50.1 U1.13 | length 350
  L4 - Bottom Layer w5: R47.1@1590,2110 R50.1@1590,2170 1600,2170 1635,2205 1723,2205 1731.67,2196.33 1761.27,2166.73 U1.13@1849.65,2166.73
+5V_PG: R7.1 U1.28 U4.19 | length 2000.1
  L1 - Top Layer w5: U4.19@1529.84,1152.72 1529.84,1143.86 1537.11,1136.59 1537.11,1135.83 1554.11,1118.83 1566.17,1118.83 v1(1570,1115) ; v1(1905,1045) 1835,1115 1835,1185 1850,1200 1850,1385 1835,1400 1835,1725 1930,1820 1930,2164.54 1965,2199.54 1965,2345 1982.6,2362.6 1982.6,2379.6 R7.1@1998,2395
  L4 - Bottom Layer w5: v1(1570,1115) 1570,1090 1625,1035 1835,1035 1843,1027 1887,1027 v1(1905,1045) ; U1.28@1965.79,2440.35 1965.79,2394.12 1980,2379.91 v1(1980,2360)
+5V_VMON: C54.2 R39.1 R43.1 U1.11 | length 539.5
  L4 - Bottom Layer w5: R39.1@1510,2110 R43.1@1510,2170 ; R39.1@1520,2110 1557,2073 1733.72,2073 1736.72,2070 1847,2070 C54.2@1850,2073 1867.81,2055.19 1915.19,2055.19 1926.42,2066.42 U1.11@1926.42,2109.65
+12V: C47.1 J2.1 J2.3 J2.5 J2.7 J2.9 J2.11 J2.13 J2.15 J2.17 J2.19 P2.1 P2.3 P2.5 P2.7 P2.9 P2.11 P2.13 P2.15 P2.17 P2.19 Q2.D R40.2 U8.6 | length 2086.4
  L1 - Top Layer w5: R40.2@2370,2350 2370,2349.19 2387.5,2331.69 J2.1@2455.51,2331.69
  L1 - Top Layer w15: J2.19@2455.51,2048.23 v1(2525,2048.23) ; J2.17@2455.51,2079.72 v1(2525,2079.72) ; J2.15@2455.51,2111.22 v1(2525,2111.22) ; J2.13@2455.51,2142.72 v1(2525,2142.72) ; J2.11@2455.51,2174.21 v1(2525,2174.21) ; J2.9@2455.51,2205.71 v1(2525,2205.71) ; J2.7@2455.51,2237.2 v1(2525,2237.2) ; J2.5@2455.51,2268.7 v1(2525,2268.7) ; J2.3@2455.51,2300.2 v1(2525,2300.2) ; J2.1@2455.51,2331.69 v1(2525,2331.69)
  L4 - Bottom Layer w5: v1(2211.61,1759.99) 2211.61,1815.87 U8.6@2212.6,1816.85
  L4 - Bottom Layer w10: Q2.D@2211.61,1727.99 v1(2211.61,1759.99) ; Q2.D@2237.2,1727.99 v1(2237.2,1759.99) ; Q2.D@2262.8,1727.99 v1(2262.8,1759.99) ; Q2.D@2288.39,1727.99 v1(2288.39,1759.99) ; C47.1@2373.39,2142.72 C47.1@2383.39,2142.72 ; P2.15@2463.39,2111.22 2414.87,2111.23 2398.39,2127.72 C47.1@2383.39,2142.72 ; P2.13@2463.39,2142.72 C47.1@2383.39,2142.72 ; P2.11@2463.39,2174.21 2414.87,2174.2 2398.39,2157.72 C47.1@2383.39,2142.72
  L4 - Bottom Layer w15: P2.19@2463.39,2048.23 v1(2525,2048.23) v1(2525,2079.72) ; P2.17@2463.39,2079.72 v1(2525,2079.72) ; P2.15@2463.39,2111.22 v1(2525,2111.22) v1(2525,2079.72) ; P2.13@2463.39,2142.72 v1(2525,2142.72) ; P2.11@2463.39,2174.21 v1(2525,2174.21) v1(2525,2205.71) ; P2.9@2463.39,2205.71 v1(2525,2205.71) ; P2.7@2463.39,2237.2 v1(2525,2237.2) ; P2.5@2463.39,2268.7 v1(2525,2268.7) ; P2.3@2463.39,2300.2 v1(2525,2300.2) ; P2.1@2463.39,2331.69 v1(2525,2331.69) v1(2525,2300.2) ; v1(2525,2205.71) v1(2525,2237.2) ; v1(2525,2237.2) v1(2525,2268.7) ; v1(2525,2268.7) v1(2525,2300.2)
+12V_EN: R21.2 U7.14 | length 139.2
  L1 - Top Layer w5: R21.2@2060,1183 2088.33,1211.33 2128.35,1211.33 2134.7,1217.68 U7.14@2184.88,1217.68
+12V_FB: C38.2 R23.1 R24.2 U7.20 | length 363.6
  L1 - Top Layer w5: U7.20@2259.53,1152.72 2258.68,1151.87 2258.68,1119.6 2261.67,1116.61 2261.67,1094.67 C38.2@2237,1070 2257,1050 2314.95,1050 2352.5,1087.55 2352.5,1102.5 2370,1120 R23.1@2380,1120 R24.2@2460,1120